# KiCad board armory.kicad_pcb (continued)
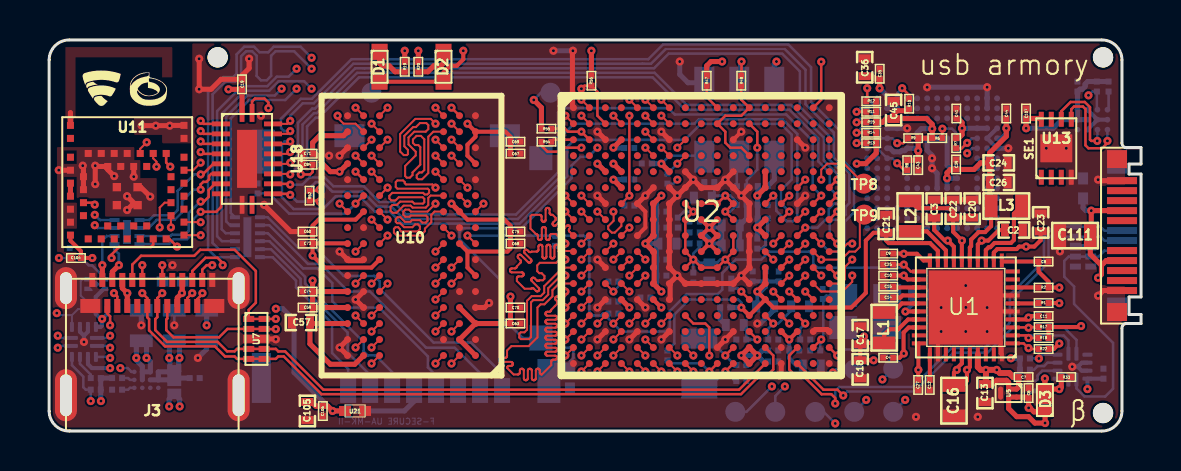
[diagram p0: board, top side]
## Nets (continued)
/DDR/DDR_ZQ: R53.1 U10.L8
/DDR/DRAM_A0: U2.L5 U10.N3
/DDR/DRAM_A1: U2.H2 U10.P7
/DDR/DRAM_A2: U2.K1 U10.P3
/DDR/DRAM_A3: U2.M2 U10.N2
/DDR/DRAM_A4: U2.K4 U10.P8
/DDR/DRAM_A5: U2.L1 U10.P2
/DDR/DRAM_A6: U2.G2 U10.R8
/DDR/DRAM_A7: U2.H4 U10.R2
/DDR/DRAM_A8: U2.J4 U10.T8
/DDR/DRAM_A9: U2.L2 U10.R3
/DDR/DRAM_A10: U2.M4 U10.L7
/DDR/DRAM_A11: U2.K3 U10.R7
/DDR/DRAM_A12: U2.L4 U10.N7
/DDR/DRAM_A13: U2.H3 U10.T3
/DDR/DRAM_A14: U2.G1 U10.T7
/DDR/DRAM_A15: U2.K5 U10.M7
/DDR/DRAM_CAS_B: U2.J2 U10.K3
/DDR/DRAM_CS0_B: U2.N2 U10.L2
/DDR/DRAM_D0: U2.T4 U10.E3
/DDR/DRAM_D1: U2.U6 U10.G2
/DDR/DRAM_D2: U2.T6 U10.F8
/DDR/DRAM_D3: U2.U7 U10.H3
/DDR/DRAM_D4: U2.U8 U10.H8
/DDR/DRAM_D5: U2.T8 U10.H7
/DDR/DRAM_D6: U2.T5 U10.F2
/DDR/DRAM_D7: U2.U4 U10.F7
/DDR/DRAM_D8: U2.U2 U10.D7
/DDR/DRAM_D9: U2.U3 U10.A7
/DDR/DRAM_D10: U2.U5 U10.B8
/DDR/DRAM_D11: U2.R4 U10.A2
/DDR/DRAM_D12: U2.P5 U10.A3
/DDR/DRAM_D13: U2.P3 U10.C8
/DDR/DRAM_D14: U2.R2 U10.C2
/DDR/DRAM_D15: U2.R1 U10.C3
/DDR/DRAM_DQM0: U2.T7 U10.E7
/DDR/DRAM_DQM1: U2.T3 U10.D3
/DDR/DRAM_RAS_B: U2.M5 U10.J3
/DDR/DRAM_RESET_B: R50.1 U2.G4 U10.T2
/DDR/DRAM_SDBA0: U2.M1 U10.M2
/DDR/DRAM_SDBA1: U2.H1 U10.N8
/DDR/DRAM_SDBA2: U2.K2 U10.M3
/DDR/DRAM_SDCKE0: R31.1 U2.M3 U10.K9
/DDR/DRAM_SDCLK0_N: R52.1 U2.P2 U10.K7
/DDR/DRAM_SDCLK0_P: R52.2 U2.P1 U10.J7
/DDR/DRAM_SDODT0: U2.N1 U10.K1
/DDR/DRAM_SDQS0_N: U2.P7 U10.G3
/DDR/DRAM_SDQS0_P: U2.P6 U10.F3
/DDR/DRAM_SDQS1_N: U2.T2 U10.B7
/DDR/DRAM_SDQS1_P: U2.T1 U10.C7
/DDR/DRAM_WE_B: U2.J1 U10.L3
/DDR/DRAM_ZQPAD: R51.1 U2.N4
/eMMC/SD2_CLK: R16.1 U3.M6
/eMMC/SD2_CLK_R: R16.2 U2.D8
/eMMC/SD2_CMD: R7.2 U2.C8 U3.M5
/eMMC/SD2_DATA0: R15.2 U2.D7 U3.A3
/eMMC/SD2_DATA1: R14.2 U2.B7 U3.A4
/eMMC/SD2_DATA2: R13.2 U2.A7 U3.A5
/eMMC/SD2_DATA3: R12.2 U2.D6 U3.A1 U3.B2
/eMMC/SD2_DATA4: R11.2 U2.C6 U3.A2 U3.B3
/eMMC/SD2_DATA5: R10.2 U2.B6 U3.B4 U3.C3 U3.D1 U3.D2
/eMMC/SD2_DATA6: R9.2 U2.A6 U3.B5 U3.C5
/eMMC/SD2_DATA7: R8.2 U2.A5 U3.B6 U3.C7
/eMMC/SD2_RESET_B: R6.2 U2.B4 U3.K5
/microSD/SD1_CLK: R54.1 U12.10
/microSD/SD1_CLK_ESD: J1.5 U12.3
/microSD/SD1_CLK_R: R54.2 U2.C1
/microSD/SD1_CMD: R55.2 U2.C2 U12.9
/microSD/SD1_CMD_ESD: J1.3 U12.4
/microSD/SD1_DATA0: R56.2 U2.B3 U12.11
/microSD/SD1_DATA0_ESD: J1.7 U12.2
/microSD/SD1_DATA1: U2.B2 U12.12
/microSD/SD1_DATA1_ESD: J1.8 U12.1
/microSD/SD1_DATA2: U2.B1 U12.7
/microSD/SD1_DATA2_ESD: J1.1 U12.6
/microSD/SD1_DATA3: U2.A2 U12.8
/microSD/SD1_DATA3_ESD: J1.2 U12.5
/PMIC/LICELL: C12.1 U1.31
/PMIC/VCORE: C14.1 U1.24
/PMIC/VDIG: C15.1 U1.23
/PMIC/VSNVS_3V: C27.1 R1.1 R22.1 U1.30
/PMIC/VSYS: C1.1 C2.1 C3.1 C4.1 C8.1 C9.1 C16.1 R2.1 U1.11 U1.14 U1.17 U1.20 U1.26 U1.28 U1.35 U1.36
/Power/NVCC_PLL_OUT: C95.1 C97.1 U2.P13
/USB/DEBUG_B: U9.3 U18.20
/USB/TYPEC_A2: J3.A2 U18.2 U19.6
/USB/TYPEC_A3: J3.A3 U18.3 U19.5
/USB/TYPEC_A10: J3.A10 U18.6 U19.1
/USB/TYPEC_A11: J3.A11 U18.7 U19.2
/USB/TYPEC_B2: J3.B2 U18.9 U19.4
/USB/TYPEC_B3: J3.B3 U18.8 U19.3
/USB/TYPEC_B10: J3.B10 U18.5 U19.7
/USB/TYPEC_B11: J3.B11 U18.4 U19.8
/USB/USB1_CC: J2.A5 U6.4 U6.7 U14.1
/USB/USB1_DN: J2.A7 U2.T15 U6.1 U6.10
/USB/USB1_DP: J2.A6 U2.U15 U6.2 U6.9
/USB/USB1_VBUS: C111.1 D3.2 J2.A4 J2.A9 J2.B4 J2.B9 R33.1 R34.1 U15.1
/USB/USB2_CC1: J3.A5 U7.1 U7.10 U9.1
/USB/USB2_CC2: J3.B5 U7.2 U7.9 U9.2
/USB/USB2_DN: J3.A7 J3.B7 U2.T13 U7.5 U7.6
/USB/USB2_DP: J3.A6 J3.B6 U2.U13 U7.4 U7.7
/USB/USB2_VBUS: C51.1 C110.1 D4.2 J3.A4 J3.A9 J3.B4 J3.B9 R32.1 U8.C2 U8.D1 U8.D2 U9.4 U16.1
/USB/USB_SW_EN: R21.1 U8.A1 U17.4
/USB/USB_VBUS: C6.1 D3.1 D4.1 U5.A2 U5.B2
A71CH_RESET: R29.2 U2.A16 U4.C3
BT_3V3: C23.1 C104.1 U1.12 U11.9
BT_RESET_B: U2.M15 U11.12
BT_SWDCLK: U2.M16 U11.39
BT_SWDIO: U2.K17 U11.40
BT_SWITCH_1: U2.G14 U11.30
BT_SWITCH_2: U2.H15 U11.38
BT_UART_CTS: U2.K15 U11.34
BT_UART_DSR: U2.H17 U11.26
BT_UART_DTR: U2.H16 U11.25
BT_UART_RTS: U2.L16 U11.35
BT_UART_RX: TP9.1 U2.K16 U11.19
BT_UART_TX: TP8.1 U2.K14 U11.20
DCDC_3V3: C5.1 C11.1 C19.1 C24.1 C26.1 C33.1 C34.1 C37.1 C39.1 C41.1 C43.1 C44.1 C45.1 C46.1 C47.1 C48.1 C55.1 C105.1 C106.1 C107.1 C108.1 C109.1 J1.4 L3.2 R4.1 R6.1 R7.1 R8.1 R9.1 R10.1 R11.1 R12.1 R13.1 R14.1 R15.1 R17.1 R18.1 R23.1 R24.1 R25.1 R28.1 R29.1 R47.2 R55.1 R56.1 R57.1 R58.1 SW1.3 SW1.4 TP11.1 U1.4 U1.15 U2.C4 U2.E7 U2.E13 U2.F4 U2.F13 U2.H13 U2.J13 U3.C6 U3.E6 U3.F5 U3.J10 U3.K9 U3.M4 U3.N4 U3.P3 U3.P5 U4.B1 U4.B2 U4.C1 U9.12 U13.8 U14.12 U17.5 U18.1 U21.1
DDR_1V35: C10.1 C20.1 C22.1 C57.1 C59.1 C60.1 C63.1 C67.1 C68.1 C69.1 C70.1 C71.1 C73.1 C74.1 C75.1 C77.1 C78.1 C79.1 C81.1 C82.1 L2.2 U1.16 U1.22 U2.G6 U2.H6 U2.J6 U2.K6 U2.L6 U2.M6 U10.A1 U10.A8 U10.B2 U10.C1 U10.C9 U10.D2 U10.D9 U10.E9 U10.F1 U10.G7 U10.H2 U10.H9 U10.K2 U10.K8 U10.N1 U10.N9 U10.R1 U10.R9
DDR_VREF: C25.1 C66.1 C83.1 C84.1 U1.21 U2.P4 U10.H1 U10.M8
I2C1_SCL: R17.2 U1.3 U2.L14 U4.A3 U9.8 U13.6 U14.8
I2C1_SDA: R18.2 U1.2 U2.L17 U4.A4 U9.7 U13.5 U14.7
LDO2_3V3: C21.1 C38.1 C40.1 C85.1 C86.1 C91.1 D1.2 D2.2 R3.1 U1.19 U2.L13 U2.M13 U2.N13 U2.P12
PMIC_WDI: R22.2 U1.1 U2.F15
SD1_CD_B: J1.SW U2.J14 U20.1
UART2_CTS: U2.J15 U18.16
UART2_RTS: U2.H14 U18.17
UART2_RX: U2.J16 U18.18
UART2_TX: U2.J17 U18.19
UART4_RX: U2.G16 U18.13
UART4_TX: U2.G17 U18.14
UART5_RX: U2.G13 U18.12
UART5_TX: U2.F17 U18.15
USB1_INT_B: R57.2 U2.K13 U14.6
USB2_ID: R24.2 U2.M17 U9.9 U17.2
USB2_INT_B: R58.2 U2.L15 U9.6
VSYS_5V: C7.1 C13.1 C49.1 C50.1 C54.1 U1.37 U2.T12 U2.U12 U5.A1 U5.B1 U8.B1 U8.B2 U8.C1
Net-(D1-Pad1): D1.1 R19.1
Net-(D2-Pad1): D2.1 R20.1
Net-(J2-PadA2): J2.A2
Net-(J2-PadA3): J2.A3
Net-(J2-PadA8): J2.A8
Net-(J2-PadA10): J2.A10
Net-(J2-PadA11): J2.A11
Net-(J2-PadB2): J2.B2
Net-(J2-PadB3): J2.B3
Net-(J2-PadB5): J2.B5
Net-(J2-PadB8): J2.B8
Net-(J2-PadB10): J2.B10
Net-(J2-PadB11): J2.B11
Net-(J3-PadA8): J3.A8
Net-(J3-PadB8): J3.B8
Net-(L1-Pad1): L1.1 U1.25
Net-(L2-Pad1): L2.1 U1.18
Net-(L3-Pad1): L3.1 U1.13
Net-(R1-Pad2): R1.2 U1.6
Net-(R2-Pad2): R2.2 U1.8
Net-(R3-Pad2): R3.2 U2.U10
Net-(R4-Pad2): R4.2 U4.C4
Net-(R19-Pad2): R19.2 U2.E4
Net-(R20-Pad2): R20.2 U2.E3
Net-(R23-Pad2): R23.2 U9.5
Net-(R25-Pad2): R25.2 U8.A2
Net-(R27-Pad2): R27.2 SW1.5
Net-(R28-Pad2): R28.2 U14.5
Net-(R34-Pad2): R34.2 U14.4
Net-(R48-Pad2): R48.2 SW1.2
Net-(R59-Pad1): R59.1 U8.A3
Net-(U1-Pad9): U1.9
Net-(U1-Pad10): U1.10
Net-(U1-Pad29): U1.29
Net-(U1-Pad33): U1.33
Net-(U1-Pad34): U1.34
Net-(U1-Pad38): U1.38
Net-(U1-Pad39): U1.39
Net-(U2-PadA3): U2.A3
Net-(U2-PadA4): U2.A4
Net-(U2-PadA8): U2.A8
Net-(U2-PadA15): U2.A15
Net-(U2-PadB5): U2.B5
Net-(U2-PadB8): U2.B8
Net-(U2-PadB15): U2.B15
Net-(U2-PadB17): U2.B17
Net-(U2-PadC5): U2.C5
Net-(U2-PadC9): U2.C9
Net-(U2-PadC16): U2.C16
Net-(U2-PadC17): U2.C17
Net-(U2-PadD1): U2.D1
Net-(U2-PadD2): U2.D2
Net-(U2-PadD3): U2.D3
Net-(U2-PadD4): U2.D4
Net-(U2-PadD5): U2.D5
Net-(U2-PadD9): U2.D9
Net-(U2-PadD15): U2.D15
Net-(U2-PadD16): U2.D16
Net-(U2-PadD17): U2.D17
Net-(U2-PadE1): U2.E1
Net-(U2-PadE2): U2.E2
Net-(U2-PadE5): U2.E5
Net-(U2-PadE6): U2.E6
Net-(U2-PadE9): U2.E9
Net-(U2-PadE14): U2.E14
Net-(U2-PadE15): U2.E15
Net-(U2-PadE16): U2.E16
Net-(U2-PadE17): U2.E17
Net-(U2-PadF1): U2.F1
Net-(U2-PadF2): U2.F2
Net-(U2-PadF3): U2.F3
Net-(U2-PadF5): U2.F5
Net-(U2-PadF14): U2.F14
Net-(U2-PadF16): U2.F16
Net-(U2-PadH5): U2.H5
Net-(U2-PadJ3): U2.J3
Net-(U2-PadN8): U2.N8
Net-(U2-PadN9): U2.N9
Net-(U2-PadN10): U2.N10
Net-(U2-PadN11): U2.N11
Net-(U2-PadN17): U2.N17
Net-(U2-PadP9): U2.P9
Net-(U2-PadP10): U2.P10
Net-(U2-PadP11): U2.P11
Net-(U2-PadP16): U2.P16
Net-(U2-PadP17): U2.P17
Net-(U2-PadR6): U2.R6
Net-(U2-PadR8): U2.R8
Net-(U2-PadR9): U2.R9
Net-(U2-PadR10): U2.R10
Net-(U2-PadR13): U2.R13
Net-(U2-PadT9): U2.T9
Net-(U2-PadU9): U2.U9
Net-(U2-PadU16): U2.U16
Net-(U3-PadA7): U3.A7
Net-(U3-PadA8): U3.A8
Net-(U3-PadA9): U3.A9
Net-(U3-PadA10): U3.A10
Net-(U3-PadA11): U3.A11
Net-(U3-PadA12): U3.A12
Net-(U3-PadA13): U3.A13
Net-(U3-PadA14): U3.A14
Net-(U3-PadB1): U3.B1
Net-(U3-PadB7): U3.B7
Net-(U3-PadB8): U3.B8
Net-(U3-PadB9): U3.B9
Net-(U3-PadB10): U3.B10
Net-(U3-PadB11): U3.B11
Net-(U3-PadB12): U3.B12
Net-(U3-PadB13): U3.B13
Net-(U3-PadB14): U3.B14
Net-(U3-PadC8): U3.C8
Net-(U3-PadC9): U3.C9
Net-(U3-PadC10): U3.C10
Net-(U3-PadC11): U3.C11
Net-(U3-PadC12): U3.C12
Net-(U3-PadC13): U3.C13
Net-(U3-PadC14): U3.C14
Net-(U3-PadD3): U3.D3
Net-(U3-PadD12): U3.D12
Net-(U3-PadD13): U3.D13
Net-(U3-PadD14): U3.D14
Net-(U3-PadE1): U3.E1
Net-(U3-PadE2): U3.E2
Net-(U3-PadE3): U3.E3
Net-(U3-PadE5): U3.E5
Net-(U3-PadE8): U3.E8
Net-(U3-PadE9): U3.E9
Net-(U3-PadE10): U3.E10
Net-(U3-PadE12): U3.E12
Net-(U3-PadE13): U3.E13
Net-(U3-PadE14): U3.E14
Net-(U3-PadF1): U3.F1
Net-(U3-PadF2): U3.F2
Net-(U3-PadF3): U3.F3
Net-(U3-PadF10): U3.F10
Net-(U3-PadF12): U3.F12
Net-(U3-PadF13): U3.F13
Net-(U3-PadF14): U3.F14
Net-(U3-PadG1): U3.G1
Net-(U3-PadG2): U3.G2
Net-(U3-PadG3): U3.G3
Net-(U3-PadG10): U3.G10
Net-(U3-PadG12): U3.G12
Net-(U3-PadG13): U3.G13
Net-(U3-PadG14): U3.G14
Net-(U3-PadH1): U3.H1
Net-(U3-PadH2): U3.H2
Net-(U3-PadH3): U3.H3
Net-(U3-PadH5): U3.H5
Net-(U3-PadH12): U3.H12
Net-(U3-PadH13): U3.H13
Net-(U3-PadH14): U3.H14
Net-(U3-PadJ1): U3.J1
Net-(U3-PadJ2): U3.J2
Net-(U3-PadJ3): U3.J3
Net-(U3-PadJ12): U3.J12
Net-(U3-PadJ13): U3.J13
Net-(U3-PadJ14): U3.J14
Net-(U3-PadK1): U3.K1
Net-(U3-PadK2): U3.K2
Net-(U3-PadK3): U3.K3
Net-(U3-PadK6): U3.K6
Net-(U3-PadK7): U3.K7
Net-(U3-PadK10): U3.K10
Net-(U3-PadK12): U3.K12
Net-(U3-PadK13): U3.K13
Net-(U3-PadK14): U3.K14
Net-(U3-PadL1): U3.L1
Net-(U3-PadL2): U3.L2
Net-(U3-PadL3): U3.L3
Net-(U3-PadL12): U3.L12
Net-(U3-PadL13): U3.L13
Net-(U3-PadL14): U3.L14
Net-(U3-PadM1): U3.M1
Net-(U3-PadM2): U3.M2
Net-(U3-PadM3): U3.M3
Net-(U3-PadM7): U3.M7
Net-(U3-PadM8): U3.M8
Net-(U3-PadM9): U3.M9
Net-(U3-PadM10): U3.M10
Net-(U3-PadM11): U3.M11
Net-(U3-PadM12): U3.M12
Net-(U3-PadM13): U3.M13
Net-(U3-PadM14): U3.M14
Net-(U3-PadN3): U3.N3
Net-(U3-PadN6): U3.N6
Net-(U3-PadN7): U3.N7
Net-(U3-PadN8): U3.N8
Net-(U3-PadN9): U3.N9
Net-(U3-PadN10): U3.N10
Net-(U3-PadN11): U3.N11
Net-(U3-PadN12): U3.N12
Net-(U3-PadN13): U3.N13
Net-(U3-PadN14): U3.N14
Net-(U3-PadP1): U3.P1
Net-(U3-PadP2): U3.P2
Net-(U3-PadP7): U3.P7
Net-(U3-PadP8): U3.P8
Net-(U3-PadP9): U3.P9
Net-(U3-PadP10): U3.P10
Net-(U3-PadP11): U3.P11
Net-(U3-PadP12): U3.P12
Net-(U3-PadP13): U3.P13
Net-(U3-PadP14): U3.P14
Net-(U4-PadA1): U4.A1
Net-(U6-Pad5): U6.5
Net-(U6-Pad6): U6.6
Net-(U10-PadJ1): U10.J1
Net-(U10-PadJ9): U10.J9
Net-(U10-PadL1): U10.L1
Net-(U10-PadL9): U10.L9
Net-(U11-Pad2): U11.2
Net-(U11-Pad3): U11.3
Net-(U11-Pad13): U11.13
Net-(U11-Pad14): U11.14
Net-(U11-Pad15): U11.15
Net-(U11-Pad16): U11.16
Net-(U11-Pad17): U11.17
Net-(U11-Pad18): U11.18
Net-(U11-Pad21): U11.21
Net-(U11-Pad22): U11.22
Net-(U11-Pad23): U11.23
Net-(U11-Pad24): U11.24
Net-(U11-Pad27): U11.27
Net-(U11-Pad28): U11.28
Net-(U11-Pad29): U11.29
Net-(U11-Pad31): U11.31
Net-(U11-Pad36): U11.36
Net-(U11-Pad37): U11.37
Net-(U11-Pad45): U11.45
Net-(U13-Pad1): U13.1
Net-(U13-Pad2): U13.2
Net-(U13-Pad3): U13.3
Net-(U13-Pad7): U13.7
Net-(U14-Pad2): U14.2
Net-(U14-Pad9): U14.9
Net-(U17-Pad1): U17.1
Net-(U18-Pad11): U18.11

## Via types
v1: diameter 0.406, hole 0.15, TOP to BOTTOM, 423 vias

## Routing (per net, layer and track width the routed paths; a pad name or vN(x,y) marks a point on that pad's centre or on a via; arc(x,y) is an arc through that point)
/eMMC/VDDI: length 2.5
  TOP w0.254: 41.51,17.19 v1(41.55,17.15) 41.55,17.62 C35.1 41.31,17.63 41.18,17.76 C36.1
  BOTTOM w0.254: v1(41.55,17.15) 41.93,16.77 U3.C1 U3.C2
/Power/VDD_ARM_CAP: length 6.2
  TOP w0.127: U2.H11 v1(33.83,10.98) U2.G11 v1(33.83,11.78) U2.G10 U2.G9
  BOTTOM w0.127: C99.1 33.28,11.81 C103.1 33.25,11.78 v1(33.83,11.78) 34.08,11.78 34.4,11.46 C101.1 34.06,10.98 v1(33.83,10.98)
/Power/VDD_SNVS_CAP: length 1.1
  TOP w0.127: U2.N12 v1(34.63,6.98)
  BOTTOM w0.127: C93.1 34.48,7.13 v1(34.63,6.98)
/Power/VDD_SOC_CAP: length 12
  TOP w0.127: v1(32.23,8.58) U2.L9 U2.L10 v1(33.83,8.58) ; v1(32.23,8.58) U2.K8 U2.J8 U2.H8 v1(32.23,10.98) U2.G8 ; v1(32.23,8.58) U2.L8 ; v1(33.83,8.58) U2.K11 U2.J11 ; v1(33.83,8.58) U2.L11
  BOTTOM w0.127: 33.88,8.53 v1(33.83,8.58) 33.58,8.58 33.43,8.43 C98.1 32.53,8.43 32.38,8.58 v1(32.23,8.58) ; v1(32.23,10.98) 31.75,10.98 C92.1 ; C94.1 32.55,9.2 32.23,8.88 v1(32.23,8.58) ; v1(32.23,8.58) C96.1
/USB/VDD_USB_CAP: length 1.9
  TOP w0.127: U2.R12 v1(35.43,4.58)
  BOTTOM w0.127: C53.1 34.88,5.18 C52.1 v1(35.43,4.58)
GND: length 126.2
  TOP w0.1: 6.84,15.3 U11.33
  TOP w0.203: U2.G5 29.83,10.98 29.83,10.18 U2.J5 ; v1(45.87,6.19) 44.47,4.78 44.47,3.88 ; v1(45.87,6.19) 46.47,6.78 48.16,6.78 ; v1(45.87,6.19) 46.06,5.98 48.16,5.98 ; v1(45.87,6.19) 47.61,4.44 47.61,3.89 47.66,3.83 ; U2.C11 v1(34.63,14.98)
  TOP w0.254: U2.J12 U2.K12 U2.L12 v1(34.63,7.78) ; U2.H12 U2.G12 v1(34.63,11.78) ; U10.G8 15.68,8.53 14.98,8.53 U10.G9 v1(14.53,8.98) ; v1(22.01,6.41) 21.78,6.18 U10.D1 ; v1(3.9,11.06) 4.14,11.3 U11.51 4.35,11.3 v1(3.9,11.75) ; U2.R17 38.93,5.08 38.33,5.08 U2.R16 ; v1(0.48,13.05) 0.48,13.05 U11.4 ; v1(3.26,12.75) 2.93,13.08 U11.48 2.34,13.24 v1(2.31,13.28) v1(2.31,12.36) ; v1(5.06,11.73) 4.58,12.2 U11.52 ; v1(26.21,19.03) 26.18,19 26.18,16.23 U2.A1 ; C20.2 C22.2 C3.2 ; v1(1.68,13.28) 1.72,13.25 U11.10 U11.11 ; v1(44.63,6.18) 44.64,6.19 v1(45.87,6.19) ; v1(45.87,6.19) 46.93,6.19 v1(46.93,6.18) ; v1(45.87,6.19) 45.84,6.19 v1(44.63,4.98) ; v1(45.87,6.19) 45.87,6.05 v1(46.93,4.98) ; v1(45.87,6.19) 45.87,7.27 v1(45.86,7.28) ; v1(45.87,6.19) 45.87,4.98 v1(45.86,4.98) ; v1(50.89,14.15) U13.T v1(49.89,14.15) ; v1(10.75,11.32) 12.09,9.98 C60.2 ; v1(36.53,2.78) 36.63,2.88 U2.U14 ; v1(10.01,18.63) 10.01,18.16 9.65,17.8 C19.2 8.6,17.6 8.11,17.11 v1(7.51,17.11) v1(7.51,18.63) ; v1(50.57,8.99) 50.57,8.99 C111.2 ; v1(11.34,4.59) 11.32,4.61 U7.8 U7.3 ; v1(52.48,12.58) 52.53,12.53 J2.A12 ; v1(52.48,6.77) 52.74,7.03 J2.A1 ; v1(33.83,12.58) U2.F10 U2.F9 v1(32.23,12.58) ; v1(33.83,12.58) U2.E11 ; v1(33.83,12.58) U2.F11 v1(34.63,11.78) ; U10.D8 v1(15.33,6.58) U10.E8 ; v1(34.63,7.78) U2.M11 U2.M10 U2.M9 U2.M8 v1(31.43,7.78) ; v1(34.63,7.78) U2.M12 ; U10.B9 v1(14.53,4.18) U10.A9 ; U2.C7 v1(30.63,14.98) ; v1(31.43,11.78) U2.G7 U2.H7 U2.J7 U2.K7 U2.L7 v1(31.43,7.78) ; v1(31.43,11.78) U2.F7 ; v1(31.43,11.78) U2.F8 v1(32.23,12.58) ; U5.C1 U5.C2 ; U10.P9 v1(14.53,13.78) ; v1(34.63,11.78) U2.F12 ; U2.C15 v1(37.83,14.18) ; U2.R11 v1(33.83,4.58) U2.T10 ; v1(31.43,7.78) U2.M7 31.07,7.34 31.07,6.62 U2.N7 ; U11.33 6.05,15.3 v1(6.03,15.28) v1(5.33,15.28) v1(4.63,15.28) ; U2.E8 v1(32.23,12.58) ; U2.R3 v1(27.43,4.58) ; U11.46 v1(4.23,12.73) ; C84.2 C71.2 ; U2.G5 v1(29.83,11.78) U2.F6 ; U2.L3 v1(27.43,8.58) ; U2.N3 v1(27.43,6.18) ; U2.G15 v1(37.83,11.78) ; U2.G3 v1(27.43,11.78) ; U2.R7 v1(30.63,4.58) ; U2.N5 v1(29.83,6.18) ; U2.R5 v1(29.03,4.58) ; U2.C3 v1(27.43,14.98)
  BOTTOM w0.127: C51.2 v1(6.26,5.29)
  BOTTOM w0.152: C33.2 35.95,9.85 35.85,9.75 35.85,9.31 35.67,9.13 C47.2 ; C46.2 35.83,11.44
  BOTTOM w0.203: U14.10 51.67,3.42 51.47,3.22 v1(51.19,3.22) 51.46,3.22 51.66,3.02 U14.11 ; U4.B3 U4.B4 ; U4.B3 U4.C2 ; U4.B3 U4.A2 ; 1.74,4.77 1.54,4.97 U9.10 ; 1.74,4.77 v1(1.74,4.46) ; 1.74,4.77 1.94,4.97 U9.11 ; U3.P4 U3.N5 U3.P6
  BOTTOM w0.254: U3.G5 43.93,14.04 44.18,13.8 v1(44.18,13.65) v1(44.18,13.15) 44.43,12.89 U3.H10 ; U3.J5 44.93,13.29 45.08,13.15 U3.K8 ; v1(35.43,5.38) 35.58,5.38 36.27,6.07 C85.2 ; v1(34.63,11.78) 34.9,11.51 34.9,10.64 C88.2 C87.2 ; C53.2 33.58,5.59 C91.2 ; v1(31.55,18.49) 31.55,17.84 31.96,17.43 SW1.1 ; v1(45.86,7.28) 45.87,7.27 v1(45.87,6.19) ; v1(45.86,4.98) 45.87,4.98 v1(45.87,6.19) ; SW1.6 36.28,12.58 C55.2 ; v1(7.44,3.66) 7.88,4.1 C110.2 ; v1(43.93,17.2) 43.94,17.2 v1(46.93,17.2) U3.N1 U3.N2 ; v1(52.48,12.58) 52.53,12.53 J2.A12 ; v1(52.48,6.77) 52.74,7.03 J2.A1 ; v1(50.89,14.15) v1(49.89,14.15) ; v1(42.93,15.15) U3.D4 U3.C4 ; U3.P6 v1(47.99,14.15) ; v1(26.21,19.03) v1(25.23,19.03) ; v1(44.63,4.98) v1(44.63,6.18) 44.64,6.19 v1(45.87,6.19) ; v1(45.87,6.19) 46.93,6.19 v1(46.93,6.18) v1(46.93,4.98) ; U6.3 51.34,9.23 ; C54.2 v1(4.61,5.29)
  vias: v1(6.17,8.3) v1(10.6,15.78) v1(14,13.78) v1(43.37,0.71) v1(46.46,0.71)
VDD_ARM_SOC_IN: length 13.9
  TOP w0.203: C17.1 40.65,4.41 L1.2 41.78,4.82 42.05,5.09 42.48,5.09 42.97,5.58 U1.27 ; C17.1 C18.1 v1(41.25,3.54) ; C17.1 40.58,4.54 v1(40.77,4.73) ; v1(33.03,9.38) U2.J9 v1(33.03,10.18) ; v1(33.03,9.38) U2.J10 v1(33.03,10.18) ; v1(33.03,9.38) U2.K9 ; v1(33.03,9.38) U2.K10 ; v1(33.03,10.18) U2.H10 ; v1(33.03,10.18) U2.H9
  BOTTOM w0.203: C90.1 32.72,9.94 33.03,9.63 v1(33.03,9.38) 33.56,9.38 C87.1 ; C88.1 33.54,10.18 v1(33.03,10.18) 32.72,10.49 C89.1
  BOTTOM w0.254: C87.1 C88.1
VDD_HIGH_CAP: length 4.2
  TOP w0.203: U2.R15 v1(37.03,4.58) U2.R14 ; U2.N6 v1(30.63,6.18)
  BOTTOM w0.203: v1(30.63,6.18) 30.13,6.68 C80.1 ; C102.1 37.39,3.28 37.03,3.64 C100.1 v1(37.03,4.58)
/Bluetooth/ANT_INT: length 0.6
  TOP w0.254: U11.6 U11.5
/Bluetooth/ANT_PCB: length 0.6
  TOP w0.254: 1.06,15.93 1.07,15.92 U11.1
/Boot/BT_CFG1[5]: length 5.8
  TOP w0.127: U2.D12 34.63,14.18 34.08,14.18 33.83,14.43 33.83,14.98 U2.B10 33.83,15.78 34.63,15.78 U2.A12 34.63,16.58 R48.1
/Boot/BT_CFG1[6]: length 1.3
  TOP w0.127: R47.1 32.9,16.71 U2.A10
/Boot/BT_CFG2[5]: length 3.5
  TOP w0.127: v1(35.43,14.18) 35.43,14.98 U2.B12
  BOTTOM w0.127: v1(35.43,14.18) 35.43,13.08 34.91,12.55 34.91,12.25
/Crystals/JTAG_MOD: length 6
  TOP w0.127: U2.P15 v1(37.83,5.38)
  SIGNAL_1 w0.127: v1(39.21,2.93) 39.03,3.11 39.03,4.83 38.48,5.38 v1(37.83,5.38)
  BOTTOM w0.127: v1(37.83,5.38) 37.58,5.13 R26.1 ; v1(39.21,2.93) 39.36,3.08 TP7.1
/Crystals/JTAG_nSRST: length 12.8
  TOP w0.127: v1(33.03,3.78) 33.03,5.18 32.83,5.38 32.23,5.38 U2.P8
  SIGNAL_1 w0.127: v1(39.33,0.38) 34.78,0.38 33.43,1.73 33.43,3.38 v1(33.03,3.78)
  BOTTOM w0.127: v1(39.33,0.38) 38.75,0.95 TP1.1
/Crystals/JTAG_nTRST: length 8
  TOP w0.127: U2.N14 v1(36.23,6.98)
  SIGNAL_1 w0.127: v1(36.23,6.98) 35.83,6.58 35.83,5.06 36.16,4.73 v1(36.16,2.23)
  BOTTOM w0.127: v1(36.16,2.23) 34.89,0.96 TP6.1
/Crystals/JTAG_TCK: length 8.5
  TOP w0.127: v1(37.03,7.78) U2.M14
  SIGNAL_1 w0.127: v1(41.69,2.58) 37.43,6.84 37.43,7.2 37.03,7.61 v1(37.03,7.78)
  BOTTOM w0.127: v1(41.69,2.58) TP2.1 42.19,3.08
/Crystals/JTAG_TDI: length 9.7
  TOP w0.127: U2.N16 v1(37.83,6.98)
  SIGNAL_1 w0.127: v1(37.83,6.98) 39.13,6.98 42.83,3.28 v1(42.83,1.56)
  BOTTOM w0.127: v1(42.83,1.56) TP4.1
/Crystals/JTAG_TDO: length 9.2
  TOP w0.127: U2.N15 v1(37.03,6.98)
  SIGNAL_1 w0.127: v1(37.03,6.98) 37.03,6.31 37.43,5.91 37.43,3.67 38.7,2.4 40.04,2.4 v1(40.88,1.56)
  BOTTOM w0.127: v1(40.88,1.56) TP5.1
/Crystals/JTAG_TMS: length 5.6
  TOP w0.127: U2.P14 v1(37.03,5.38)
  SIGNAL_1 w0.127: v1(37.03,5.38) 36.65,5 36.65,3.99 37.03,3.61 37.03,2.45 v1(36.81,2.23)
  BOTTOM w0.127: v1(36.81,2.23) 36.33,1.75 TP3.1
/Crystals/RTC_XTALI: length 3
  TOP w0.127: U2.T11 v1(33.83,3.78)
  BOTTOM w0.127: Y2.1 32.98,4.63 v1(33.83,3.78) 34.31,3.3 C30.1
/Crystals/RTC_XTALO: length 3
  TOP w0.127: U2.U11 v1(33.83,2.98)
  BOTTOM w0.127: Y2.2 32.98,2.13 v1(33.83,2.98) 34.31,2.5 C31.1
/Crystals/XTALI: length 4.3
  TOP w0.127: v1(38.63,4.58) U2.T16
  BOTTOM w0.127: Y1.3 38.88,6.78 C28.1 38.73,6.58 38.73,4.68 v1(38.63,4.58) 38.58,4.53 R5.1
/Crystals/XTALO: length 4.2
  TOP w0.127: U2.T17 v1(39.43,3.78)
  BOTTOM w0.127: 41.71,4.2 41.93,4.43 Y1.1 ; C29.1 41.58,4.08 39.73,4.08 v1(39.43,3.78)
/DDR/DDR_ZQ: length 6.1
  TOP w0.127: U10.L8 v1(15.33,11.38)
  BOTTOM w0.127: R53.1 11,11.89 12.01,10.88 14.83,10.88 v1(15.33,11.38)
/DDR/DRAM_A0: length 34
  TOP w0.1: U2.L5 v1(29.03,7.78) ; v1(19.33,13.78) U10.N3
  SIGNAL_2 w0.1: v1(19.33,13.78) 18.12,13.78 17.49,13.15 17.49,12.2 17.1,11.81 15.22,11.81 14.93,11.52 14.93,11.1 14.73,10.9 14.73,10.63 14.94,10.42 15.51,10.42 15.7,10.61 15.7,10.7 15.95,10.95 16.22,10.95 16.42,11.15 17.16,11.15 17.49,10.82 17.49,10.09 17.77,9.81 18.78,9.81 19.52,10.55 20.96,10.55 21.5,10.01 21.5,9.44 21.26,9.2 21.13,9.2 20.9,8.97 20.9,7.27 20.36,6.73 20.14,6.73 19.92,6.51 19.92,5.71 20.5,5.13 20.5,4.85 20.7,4.65 20.83,4.65 21.23,4.25 24.82,4.25 25.06,4.49 25.06,5.12 25.7,5.76 26.76,5.76 27.03,6.03 27.03,6.73 28.08,7.78 v1(29.03,7.78)
/DDR/DRAM_A1: length 34
  TOP w0.1: U10.P7 v1(16.93,14.58) ; v1(26.63,10.98) U2.H2
  SIGNAL_2 w0.1: v1(16.93,14.58) 16.93,15.51 17.33,15.91 17.33,16.36 17.13,16.56 16.69,16.56 16.54,16.71 16.54,17.06 16.87,17.39 21.79,17.39 21.81,17.39 21.83,17.38 21.85,17.37 21.87,17.35 21.88,17.33 21.89,17.31 21.89,17.29 21.89,17.1 21.89,17.08 21.9,17.05 21.91,17.04 21.93,17.02 21.95,17.01 21.97,17 21.99,17 22.01,17 22.03,17.01 22.05,17.02 22.07,17.04 22.08,17.05 22.09,17.08 22.09,17.1 22.09,17.29 22.09,17.31 22.1,17.33 22.11,17.35 22.13,17.37 22.15,17.38 22.17,17.39 22.19,17.39 22.21,17.39 22.23,17.38 22.25,17.37 22.27,17.35 22.28,17.33 22.29,17.31 22.29,17.29 22.29,17.1 22.29,17.08 22.3,17.05 22.31,17.04 22.33,17.02 22.35,17.01 22.37,17 22.39,17 22.41,17 22.43,17.01 22.45,17.02 22.47,17.04 22.48,17.05 22.49,17.08 22.49,17.1 22.49,17.29 22.49,17.31 22.5,17.33 22.51,17.35 22.53,17.37 22.55,17.38 22.57,17.39 22.59,17.39 22.61,17.39 22.63,17.38 22.65,17.37 22.67,17.35 22.68,17.33 22.69,17.31 22.69,17.29 22.69,17.1 22.69,17.08 22.7,17.05 22.71,17.04 22.73,17.02 22.75,17.01 22.77,17 22.79,17 22.81,17 22.83,17.01 22.85,17.02 22.87,17.04 22.88,17.05 22.89,17.08 22.89,17.1 22.89,17.29 22.89,17.31 22.9,17.33 22.91,17.35 22.93,17.37 22.95,17.38 22.97,17.39 22.99,17.39 23.01,17.39 23.03,17.38 23.05,17.37 23.07,17.35 23.08,17.33 23.09,17.31 23.09,17.29 23.09,17 23.09,16.98 23.1,16.95 23.11,16.94 23.13,16.92 23.15,16.91 23.17,16.9 23.19,16.9 23.21,16.9 23.23,16.91 23.25,16.92 23.27,16.94 23.28,16.95 23.29,16.98 23.29,17 23.29,17.29 23.29,17.31 23.3,17.33 23.31,17.35 23.33,17.37 23.35,17.38 23.37,17.39 23.39,17.39 23.41,17.39 23.43,17.38 23.45,17.37 23.47,17.35 23.48,17.33 23.49,17.31 23.49,17.29 23.49,16.95 23.49,16.93 23.5,16.9 23.51,16.89 23.53,16.87 23.55,16.86 23.57,16.85 23.59,16.85 23.61,16.85 23.63,16.86 23.65,16.87 23.67,16.89 23.68,16.9 23.69,16.93 23.69,16.95 23.69,17.29 23.69,17.31 23.7,17.33 23.71,17.35 23.73,17.37 23.75,17.38 23.77,17.39 23.79,17.39 23.81,17.39 23.83,17.38 23.85,17.37 23.87,17.35 23.88,17.33 23.89,17.31 23.89,17.29 23.89,16.95 23.89,16.93 23.9,16.9 23.91,16.89 23.93,16.87 23.95,16.86 23.97,16.85 23.99,16.85 24.01,16.85 24.03,16.86 24.05,16.87 24.07,16.89 24.08,16.9 24.09,16.93 24.09,16.95 24.09,17.29 24.09,17.31 24.1,17.33 24.11,17.35 24.13,17.37 24.15,17.38 24.17,17.39 24.19,17.39 24.21,17.39 24.23,17.38 24.25,17.37 24.27,17.35 24.28,17.33 24.29,17.31 24.29,17.29 24.29,17.1 24.29,17.08 24.3,17.05 24.31,17.04 24.33,17.02 24.35,17.01 24.37,17 24.39,17 24.41,17 24.43,17.01 24.45,17.02 24.47,17.04 24.48,17.05 24.49,17.08 24.49,17.1 24.49,17.29 24.49,17.31 24.5,17.33 24.51,17.35 24.53,17.37 24.55,17.38 24.57,17.39 24.59,17.39 24.86,17.12 24.87,17.1 24.88,17.08 24.89,17.06 24.89,17.04 24.88,17.02 24.87,17 24.86,16.98 24.62,16.74 24.6,16.72 24.6,16.7 24.59,16.68 24.59,16.65 24.6,16.63 24.6,16.61 24.62,16.6 24.64,16.58 24.66,16.57 24.68,16.57 24.7,16.57 24.72,16.57 24.74,16.58 24.76,16.6 25.07,16.91 25.08,16.9 25.14,16.97 25.16,16.99 25.18,17 25.2,17 25.22,17 25.24,17 25.26,16.99 25.28,16.97 25.28,16.97 25.3,16.95 25.31,16.93 25.31,16.91 25.31,16.89 25.31,16.87 25.3,16.85 25.27,16.81 25.26,16.79 25.26,16.77 25.26,16.75 25.26,16.73 25.27,16.71 25.28,16.7 25.32,16.66 25.32,16.38 25.32,16.36 25.31,16.34 25.3,16.32 25.28,16.3 25.26,16.29 25.24,16.28 25.22,16.28 24.88,16.28 24.86,16.28 24.83,16.27 24.82,16.26 24.8,16.24 24.79,16.22 24.78,16.2 24.78,16.18 24.78,16.16 24.79,16.14 24.8,16.12 24.82,16.1 24.83,16.09 24.86,16.08 24.88,16.08 25.22,16.08 25.24,16.08 25.26,16.07 25.28,16.06 25.3,16.04 25.31,16.02 25.32,16 25.32,15.98 25.32,15.96 25.31,15.94 25.3,15.92 25.28,15.9 25.26,15.89 25.24,15.88 25.22,15.88 24.88,15.88 24.86,15.88 24.83,15.87 24.82,15.86 24.8,15.84 24.79,15.82 24.78,15.8 24.78,15.78 24.78,15.76 24.79,15.74 24.8,15.72 24.82,15.7 24.83,15.69 24.86,15.68 24.88,15.68 25.32,15.68 25.32,15.68 25.42,15.68 25.44,15.67 25.46,15.67 25.48,15.65 25.49,15.64 25.5,15.62 25.51,15.6 25.51,15.58 25.51,15.57 25.51,15.55 25.5,15.53 25.49,15.51 25.48,15.5 25.46,15.49 25.44,15.48 25.39,15.47 25.37,15.47 25.36,15.45 25.34,15.44 25.33,15.42 25.32,15.4 25.32,15.36 25.31,15.34 25.3,15.32 25.28,15.3 25.26,15.29 25.24,15.28 25.22,15.28 24.88,15.28 24.86,15.28 24.83,15.27 24.82,15.26 24.8,15.24 24.79,15.22 24.78,15.2 24.78,15.18 24.78,15.16 24.79,15.14 24.8,15.12 24.82,15.1 24.83,15.09 24.86,15.08 24.88,15.08 25.22,15.08 25.24,15.08 25.26,15.07 25.28,15.06 25.3,15.04 25.31,15.02 25.32,15 25.32,14.98 25.32,14.96 25.31,14.94 25.3,14.92 25.28,14.9 25.26,14.89 25.24,14.88 25.22,14.88 24.88,14.88 24.86,14.88 24.83,14.87 24.82,14.86 24.8,14.84 24.79,14.82 24.78,14.8 24.78,14.78 24.78,14.76 24.79,14.74 24.8,14.72 24.82,14.7 24.83,14.69 24.86,14.68 24.88,14.68 25.22,14.68 25.24,14.68 25.26,14.67 25.28,14.66 25.3,14.64 25.31,14.62 25.32,14.6 25.32,14.58 25.32,14.56 25.31,14.54 25.3,14.52 25.28,14.5 25.26,14.49 25.24,14.48 25.22,14.48 24.88,14.48 24.86,14.48 24.83,14.47 24.82,14.46 24.8,14.44 24.79,14.42 24.78,14.4 24.78,14.38 24.78,14.36 24.79,14.34 24.8,14.32 24.82,14.3 24.83,14.29 24.86,14.28 24.88,14.28 25.22,14.28 25.24,14.28 25.26,14.27 25.28,14.26 25.3,14.24 25.31,14.22 25.32,14.2 25.32,14.18 25.32,14.16 25.31,14.14 25.3,14.12 25.28,14.1 25.26,14.09 25.24,14.08 25.22,14.08 24.88,14.08 24.86,14.08 24.83,14.07 24.82,14.06 24.8,14.04 24.79,14.02 24.78,14 24.78,13.98 24.78,13.96 24.79,13.94 24.8,13.92 24.82,13.9 24.83,13.89 24.86,13.88 24.88,13.88 25.22,13.88 25.24,13.88 25.26,13.87 25.28,13.86 25.3,13.84 25.31,13.82 25.32,13.8 25.32,13.78 25.32,13.76 25.31,13.74 25.3,13.72 25.28,13.7 25.26,13.69 25.24,13.68 25.22,13.68 24.88,13.68 24.86,13.68 24.83,13.67 24.82,13.66 24.8,13.64 24.79,13.62 24.78,13.6 24.78,13.58 24.78,13.56 24.79,13.54 24.8,13.52 24.82,13.5 24.83,13.49 24.86,13.48 24.88,13.48 25.22,13.48 25.24,13.48 25.26,13.47 25.28,13.46 25.3,13.44 25.31,13.42 25.32,13.4 25.32,13.38 25.32,13.36 25.31,13.34 25.3,13.32 25.28,13.3 25.26,13.29 25.24,13.28 25.22,13.28 25.18,13.28 25.16,13.28 25.13,13.27 25.12,13.26 25.1,13.24 25.09,13.22 25.08,13.2 25.08,13.18 25.08,13.16 25.09,13.14 25.1,13.12 25.12,13.1 25.13,13.09 25.16,13.08 25.18,13.08 25.22,13.08 25.24,13.08 25.26,13.07 25.28,13.06 25.3,13.04 25.31,13.02 25.32,13 25.32,12.98 25.38,12.92 25.38,12.71 25.47,12.62 25.47,12.54 25.47,12.53 25.47,12.52 25.46,12.51 25.45,12.5 25.44,12.49 25.43,12.49 25.41,12.49 25.4,12.49 25.39,12.48 25.38,12.47 25.37,12.46 25.37,12.45 25.37,12.44 25.37,12.34 25.37,12.33 25.37,12.32 25.38,12.31 25.39,12.3 25.4,12.29 25.41,12.29 25.42,12.29 25.61,12.29 25.63,12.29 25.66,12.28 25.67,12.27 25.69,12.25 25.7,12.23 25.71,12.21 25.71,12.19 25.71,12.17 25.7,12.15 25.69,12.13 25.67,12.11 25.66,12.1 25.63,12.09 25.61,12.09 25.57,12.09 25.55,12.09 25.53,12.08 25.51,12.07 25.49,12.05 25.48,12.03 25.47,12.01 25.47,11.99 25.47,11.89 25.47,11.88 25.47,11.87 25.46,11.86 25.45,11.85 25.44,11.84 25.43,11.84 25.41,11.84 25.4,11.84 25.39,11.83 25.38,11.82 25.37,11.81 25.37,11.8 25.37,11.79 25.37,11.69 25.37,11.68 25.37,11.67 25.38,11.66 25.39,11.65 25.4,11.64 25.41,11.64 25.43,11.64 25.44,11.64 25.45,11.63 25.46,11.62 25.47,11.61 25.47,11.6 25.47,11.59 25.68,11.38 26.23,11.38 v1(26.63,10.98)
